# KiCad board Totem_rollin_.kicad_pcb
title: TOTEM split keyboard; date: 2022-11-03; rev: 0.3; note: Made by GEIST
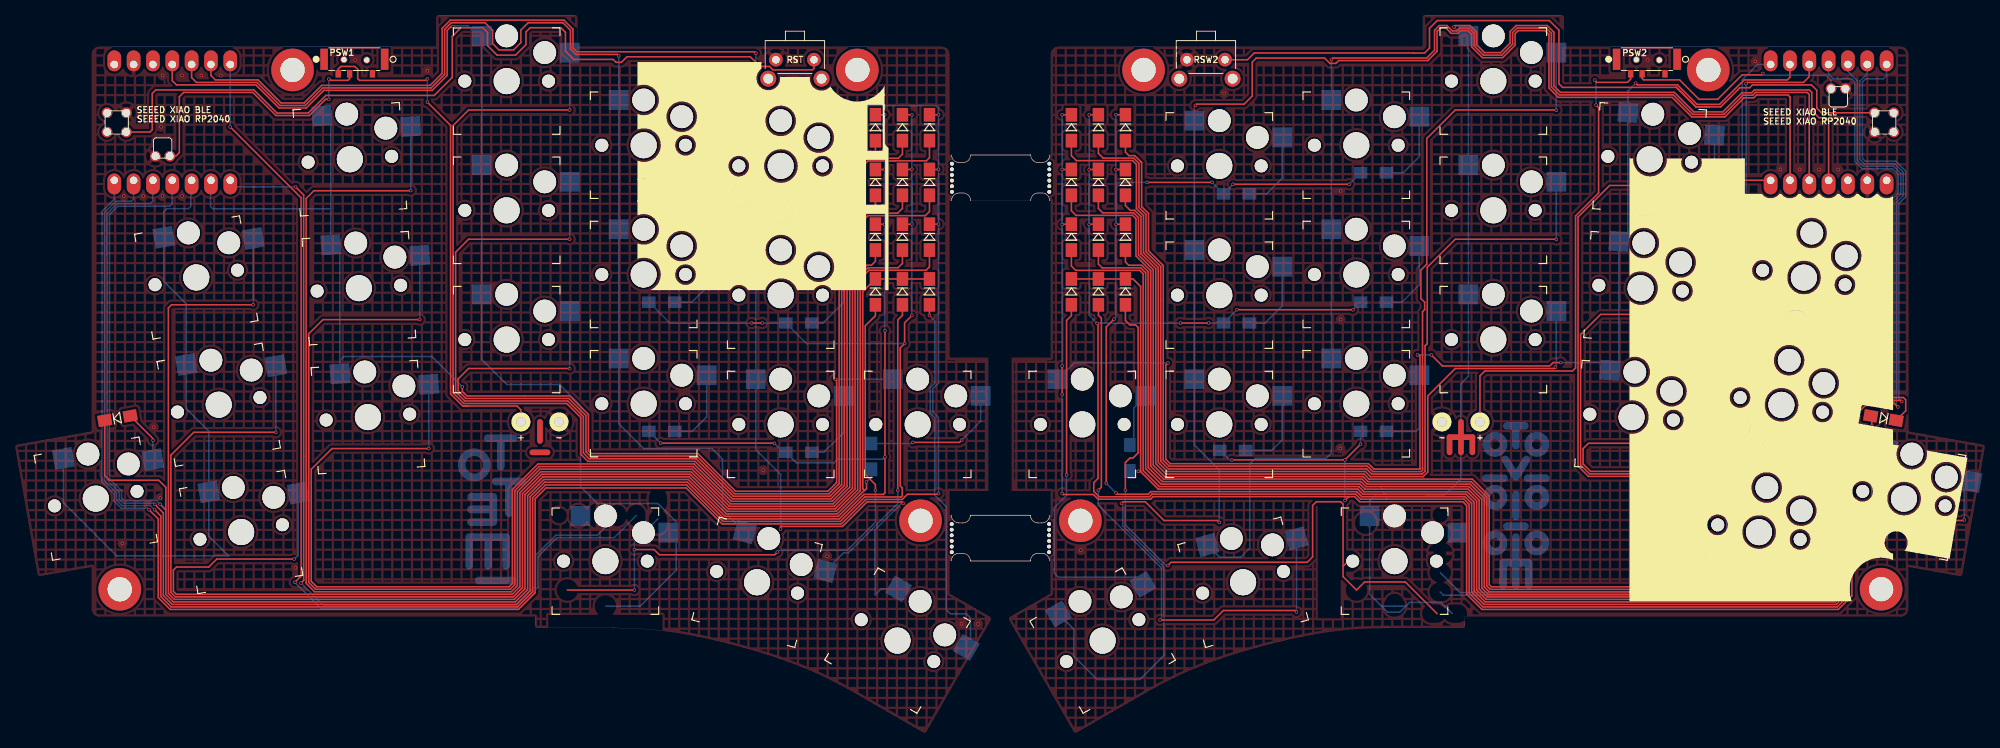
[diagram p0: board, top side]
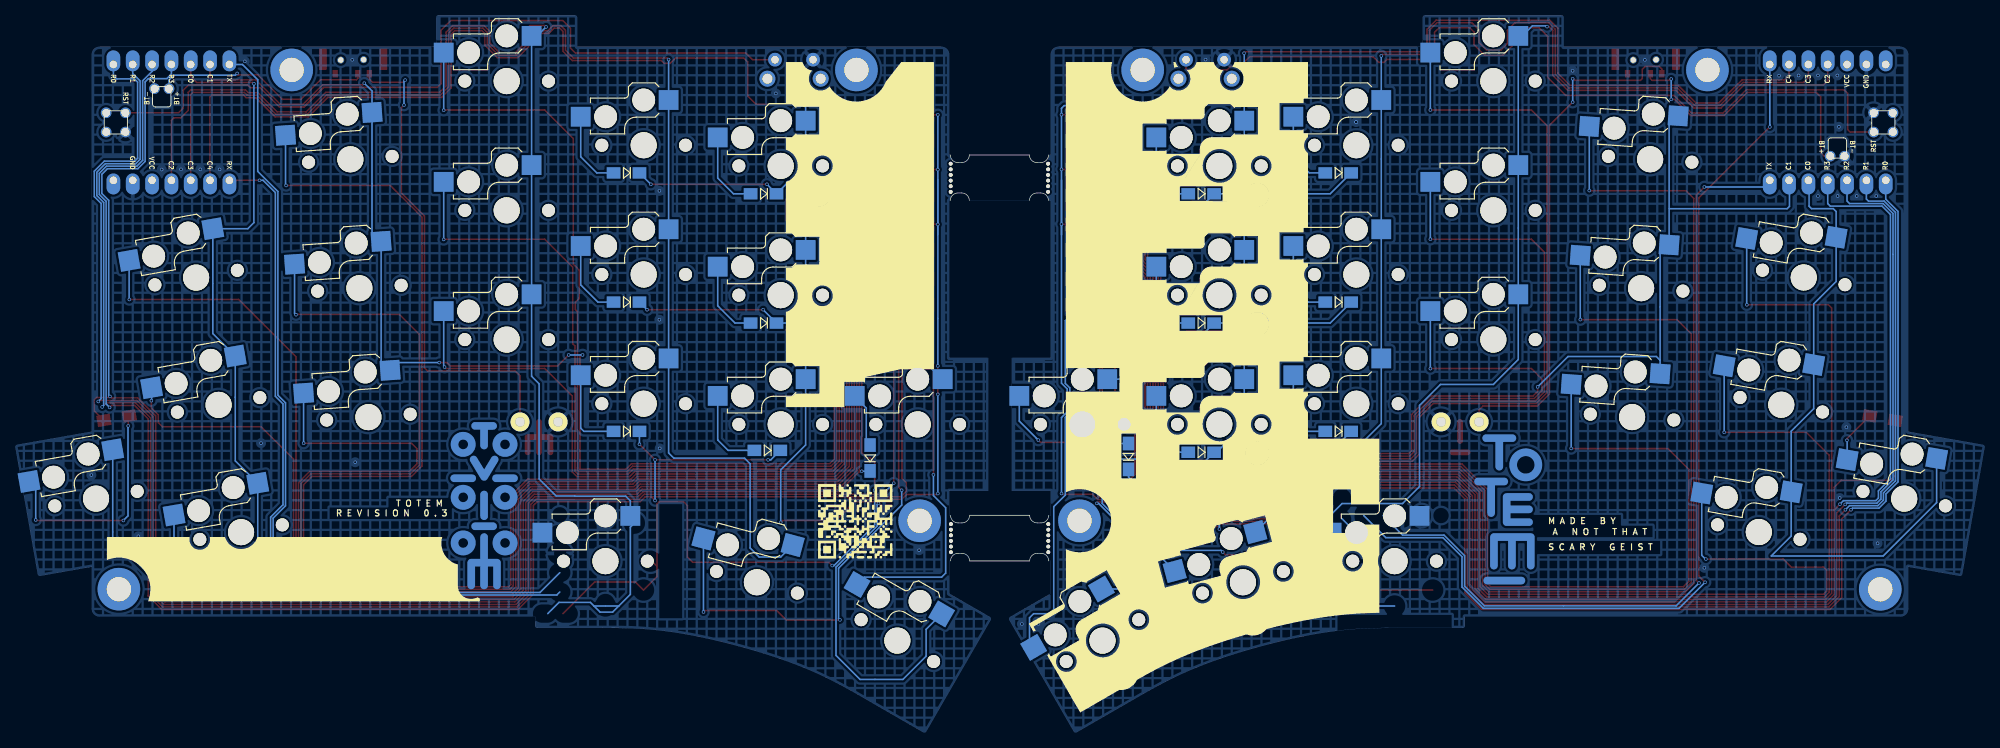
[diagram p1: board, bottom side, seen from below]

Outline 258.75 x 94.39 mm; copper layers: Top, Bottom. Coordinates in mm from the lower left corner of the outline.
Outline path: 122.7,18.32 122.7,22.61 122.98,22.61 ; 122.98,28.61 122.7,28.61 122.7,31.82 127.81,31.82 127.81,49.32 122.7,49.32 122.7,70.01 123.01,70.01 ; 122.71,76.01 123.01,76.01 ; 125.48,22.61 133.38,22.61 ; 125.48,28.61 133.38,28.61 ; 125.51,76.01 133.41,76.01 ; 133.41,70.01 125.51,70.01 ; 135.88,22.61 136.05,22.61 136.05,18.32 ; 135.88,28.61 136.06,28.61 136.06,31.82 130.94,31.82 130.94,49.32 136.06,49.32 136.06,70.01 135.91,70.01 ; 135.91,76.01 136.06,76.01
Stack: Top 0.035mm / dielectric 1.51mm FR4 er 4.5 / Bottom 0.035mm

## Placement (name value [footprint] x y rotation side)
BAT+1  +  [BatteryPad]  66.43 40.89 0 top
BAT+2  +  [BatteryPad]  192.43 40.89 0 top
BATGND1  -  [BatteryPad]  71.43 40.89 0 top
BATGND2  -  [BatteryPad]  187.43 40.89 0 top
DL1  D_Small  [Diode_SOD123]  120.11 65.2 270 top
DL2  D_Small  [Diode_SOD123]  120.11 72.4 270 top
DL3  D_Small  [Diode_SOD123]  120.11 79.6 270 top
DL4  D_Small  [Diode_SOD123]  84.94 73.65 0 bottom
DL5  D_Small  [Diode_SOD123]  102.94 70.9 0 bottom
DL6  D_Small  [Diode_SOD123]  116.56 65.2 270 top
DL7  D_Small  [Diode_SOD123]  116.56 72.4 270 top
DL8  D_Small  [Diode_SOD123]  116.56 79.59 270 top
DL9  D_Small  [Diode_SOD123]  84.94 56.65 0 bottom
DL10  D_Small  [Diode_SOD123]  102.94 53.9 0 bottom
DL11  D_Small  [Diode_SOD123]  113.01 65.2 270 top
DL12  D_Small  [Diode_SOD123]  113.01 72.4 270 top
DL13  D_Small  [Diode_SOD123]  113.01 79.59 270 top
DL14  D_Small  [Diode_SOD123]  84.94 39.65 0 bottom
DL15  D_Small  [Diode_SOD123]  102.94 36.9 0 bottom
DL16  D_Small  [Diode_SOD123]  13.43 41.39 10 top
DL17  D_Small  [Diode_SOD123]  113.01 58 270 top
DL18  D_Small  [Diode_SOD123]  116.56 58 270 top
DL19  D_Small  [Diode_SOD123]  120.11 58 270 top
DL20  D_Small  [Diode_SOD123]  112.49 36.35 90 bottom
DR1  D_Small  [Diode_SOD123]  145.86 65.2 270 top
DR2  D_Small  [Diode_SOD123]  145.86 72.4 270 top
DR3  D_Small  [Diode_SOD123]  145.86 79.59 270 top
DR4  D_Small  [Diode_SOD123]  178.44 73.65 0 bottom
DR5  D_Small  [Diode_SOD123]  160.44 70.9 0 bottom
DR6  D_Small  [Diode_SOD123]  142.31 65.2 270 top
DR7  D_Small  [Diode_SOD123]  142.31 72.4 270 top
DR8  D_Small  [Diode_SOD123]  142.31 79.59 270 top
DR9  D_Small  [Diode_SOD123]  178.44 56.65 0 bottom
DR10  D_Small  [Diode_SOD123]  160.44 53.9 0 bottom
DR11  D_Small  [Diode_SOD123]  138.76 65.2 270 top
DR12  D_Small  [Diode_SOD123]  138.76 72.4 270 top
DR13  D_Small  [Diode_SOD123]  138.76 79.59 270 top
DR14  D_Small  [Diode_SOD123]  178.44 39.65 0 bottom
DR15  D_Small  [Diode_SOD123]  159.94 37.15 0 bottom
DR16  D_Small  [Diode_SOD123]  245.43 41.39 170 top
DR17  D_Small  [Diode_SOD123]  145.86 58 270 top
DR18  D_Small  [Diode_SOD123]  142.31 58 270 top
DR19  D_Small  [Diode_SOD123]  138.76 58 270 top
DR20  D_Small  [Diode_SOD123]  146.44 36.15 90 bottom
ENCL17  RotaryEncoder_Switch  [Kailh_socket_PG1350]  77.54 22.58 0 top
ENCR17  RotaryEncoder_Switch  [Kailh_socket_PG1350]  181.21 22.58 0 top
PSW1  SW_SPDT  [MSK12C02]  48.43 89.89 270 top
PSW2  SW_SPDT  [MSK12C02]  218.23 89.89 270 top
REF**  mousebites 2mm  [mousebites_2.5mm]  135.88 25.61 0 top
REF**#2  -  [MountingHole_3.2mm_M3_DIN965_Pad]  118.93 27.89 0 top
REF**#3  -  [MountingHole_3.2mm_M3_DIN965_Pad]  13.73 18.88 0 top
REF**#4  -  [MountingHole_3.2mm_M3_DIN965_Pad]  245.13 18.89 0 top
REF**#5  -  [MountingHole_3.2mm_M3_DIN965_Pad]  222.43 87.19 0 top
REF**#6  -  [MountingHole_3.2mm_M3_DIN965_Pad]  36.43 87.19 0 top
REF**#7  mousebites 2mm  [mousebites_2.5mm]  122.98 25.61 180 top
REF**#8  mousebites 2mm  [mousebites_2.5mm]  135.91 73.01 0 top
REF**#9  -  [MountingHole_3.2mm_M3_DIN965_Pad]  139.93 27.89 0 top
REF**#10  -  [MountingHole_3.2mm_M3_DIN965_Pad]  110.63 87.19 0 top
REF**#11  mousebites 2mm  [mousebites_2.5mm]  123.01 73.01 180 top
REF**#12  -  [MountingHole_3.2mm_M3_DIN965_Pad]  148.23 87.19 0 top
RSW1  SW_Push  [SKHLLCA010]  102.43 87.29 0 top
RSW2  SW_Push  [SKHLLCA010]  156.43 87.29 0 top
SWL1  SW_Push_45deg  [Kailh_socket_PG1350]  23.78 59.89 10 top
SWL2  SW_Push_45deg  [Kailh_socket_PG1350]  43.96 75.45 4 top
SWL3  SW_Push_45deg  [Kailh_socket_PG1350]  64.56 85.72 0 top
SWL4  SW_Push_45deg  [Kailh_socket_PG1350]  82.56 77.29 0 top
SWL5  SW_Push_45deg  [Kailh_socket_PG1350]  100.56 74.57 0 top
SWL6  SW_Push_45deg  [Kailh_socket_PG1350]  26.74 43.15 10 top
SWL7  SW_Push_45deg  [Kailh_socket_PG1350]  45.15 58.49 4 top
SWL8  SW_Push_45deg  [Kailh_socket_PG1350]  64.56 68.72 0 top
SWL9  SW_Push_45deg  [Kailh_socket_PG1350]  82.56 60.29 0 top
SWL10  SW_Push_45deg  [Kailh_socket_PG1350]  100.56 57.57 0 top
SWL11  SW_Push_45deg  [Kailh_socket_PG1350]  29.69 26.41 10 top
SWL12  SW_Push_45deg  [Kailh_socket_PG1350]  46.34 41.53 4 top
SWL13  SW_Push_45deg  [Kailh_socket_PG1350]  64.56 51.72 0 top
SWL14  SW_Push_45deg  [Kailh_socket_PG1350]  82.56 43.29 0 top
SWL15  SW_Push_45deg  [Kailh_socket_PG1350]  100.56 40.57 0 top
SWL16  SW_Push_45deg  [Kailh_socket_PG1350]  10.59 30.8 10 top
SWL18  SW_Push_45deg  [Kailh_socket_PG1350]  97.46 19.8 345 top
SWL19  SW_Push_45deg  [Kailh_socket_PG1350]  115.91 12.13 330 top
SWL20  SW_Push_45deg  [Kailh_socket_PG1350]  118.56 40.57 0 top
SWR1  SW_Push_45deg  [Kailh_socket_PG1350]  234.99 59.88 350 top
SWR2  SW_Push_45deg  [Kailh_socket_PG1350]  214.72 75.44 356 top
SWR3  SW_Push_45deg  [Kailh_socket_PG1350]  194.19 85.72 0 top
SWR4  SW_Push_45deg  [Kailh_socket_PG1350]  176.19 77.29 0 top
SWR5  SW_Push_45deg  [Kailh_socket_PG1350]  158.19 74.57 0 top
SWR6  SW_Push_45deg  [Kailh_socket_PG1350]  232.03 43.14 350 top
SWR7  SW_Push_45deg  [Kailh_socket_PG1350]  213.54 58.48 356 top
SWR8  SW_Push_45deg  [Kailh_socket_PG1350]  194.19 68.72 0 top
SWR9  SW_Push_45deg  [Kailh_socket_PG1350]  176.19 60.29 0 top
SWR10  SW_Push_45deg  [Kailh_socket_PG1350]  158.19 57.57 0 top
SWR11  SW_Push_45deg  [Kailh_socket_PG1350]  229.08 26.39 350 top
SWR12  SW_Push_45deg  [Kailh_socket_PG1350]  212.35 41.52 356 top
SWR13  SW_Push_45deg  [Kailh_socket_PG1350]  194.19 51.72 0 top
SWR14  SW_Push_45deg  [Kailh_socket_PG1350]  176.19 43.29 0 top
SWR15  SW_Push_45deg  [Kailh_socket_PG1350]  158.19 40.57 0 top
SWR16  SW_Push_45deg  [Kailh_socket_PG1350]  248.14 30.8 350 top
SWR18  SW_Push_45deg  [Kailh_socket_PG1350]  161.31 19.8 15 top
SWR19  SW_Push_45deg  [Kailh_socket_PG1350]  142.86 12.13 30 top
SWR20  SW_Push_45deg  [Kailh_socket_PG1350]  140.19 40.57 0 top
U1  xiao-ble  [xiao-ble-smd-cutout]  20.63 80.29 90 top
U2  xiao-ble  [xiao-ble-smd-cutout]  238.23 80.29 270 top

## Library data of the parts
BAT+1 BAT+2 BATGND1 BATGND2 = -: ki_fp_filters: MountingHole*Pad*
DL1-DL20 DR1-DR20 = -: ki_fp_filters: TO-???* *_Diode_* *SingleDiode* D_*
ENCL17 ENCR17 = -: ki_fp_filters: RotaryEncoder*Switch*

## Footprints (pads in the part's own frame, mm; a bottom-side part is the same pattern mirrored in y, then rotated)
BatteryPad
  round 2.5 hole 1.25: 1(0,0)
Diode_SOD123
  rect 1.8x1.5 smd: 1(-1.7,0) 2(1.7,0)
Kailh_socket_PG1350
  round 1.702 hole 1.702 unplated: (-5.5,0) (5.5,0)
  round 3 hole 3 unplated: (0,5.95) (5,3.75)
  round 3.429 hole 3.429 unplated: (0,0)
  rect 2.6x2.6 smd far side: 1(-3.275,5.95) 2(8.275,3.75)
MountingHole_3.2mm_M3_DIN965_Pad
  round 5.6 hole 3.2: 1(0,0)
mousebites_2.5mm
  round 0.5 hole 0.5 unplated: (-0.05,1.85) (-0.05,1.11) (-0.05,0.37) (-0.05,-0.37) (-0.05,-1.11) (-0.05,-1.85)
MSK12C02
  round 0.9 hole 0.7 unplated: (1.35,-5.25) (1.4,-2.25)
  rect 1x0.7 smd: 1(3.2,-1.5) 2(3.2,-4.5) 3(3.2,-6)
  rect 2.8x1 smd: NC(1.3,0.1) NC(1.3,-7.85)
SKHLLCA010
  round 1.8 hole 1: 1(2.5,1.25) 2(-2.5,1.25)
  round 2.1 hole 1.3: MP(-3.5,-1.25) MP(3.5,-1.25)
xiao-ble-smd-cutout
  oval 2.75x1.8 hole 1: 1(-7.62,7.62) 2(-7.62,5.08) 3(-7.62,2.54) 4(-7.62,0) 5(-7.62,-2.54) 6(-7.62,-5.08) 7(-7.62,-7.62) 8(7.62,-7.62) 9(7.62,-5.08) 10(7.62,-2.54) 11(7.62,0) 12(7.62,2.54) 13(7.62,5.08) 14(7.62,7.62)
  round 1.397 hole 1.016: 15(-1.27,8.572) 16(1.27,8.572) 17(-1.27,6.032) 18(1.27,6.032) 19(-4.445,0.317) 20(-4.445,2.222)

## Nets
GND_L: BATGND1.1 RSW1.2 U1.13 U1.18 U1.20
GND_R: BATGND2.1 RSW2.2 U2.13 U2.18 U2.20
VBAT_L: BAT+1.1 PSW1.3
VBAT_R: BAT+2.1 PSW2.3
VCC_L: U1.12
VCC_R: U2.12
BAT+_L: PSW1.2 U1.19
BAT+_R: PSW2.2 U2.19
COL0_L: SWL1.1 SWL6.1 SWL11.1 SWL16.1 U1.5
COL0_R: SWR1.1 SWR6.1 SWR11.1 SWR16.1 U2.5
COL1_L: SWL2.1 SWL7.1 SWL12.1 SWL20.1 U1.6
COL1_R: SWR2.1 SWR7.1 SWR12.1 SWR20.1 U2.6
COL2_L: ENCL17.1 SWL3.1 SWL8.1 SWL13.1 U1.11
COL2_R: SWR3.1 SWR8.1 SWR13.1 U2.11
COL3_L: SWL4.1 SWL9.1 SWL14.1 SWL18.1 U1.10
COL3_R: SWR4.1 SWR9.1 SWR14.1 SWR18.1 U2.10
COL4_L: SWL5.1 SWL10.1 SWL15.1 SWL19.1 U1.9
COL4_R: SWR5.1 SWR10.1 SWR15.1 SWR19.1 U2.9
ENC_A_L: U1.8
ENC_A_R: U2.8
ENC_B_L: U1.7
ENC_B_R: U2.7
ENC_ROW_L: DL17.2 ENCL17.2
ENC_ROW_R: DR17.2 ENCR17.1 ENCR17.2
RESET_L: RSW1.1 U1.17
RESET_R: RSW2.1 U2.17
ROW0_L: DL1.1 DL2.1 DL3.1 DL4.1 DL5.1 U1.1
ROW0_R: DR1.1 DR2.1 DR3.1 DR4.1 DR5.1 U2.1
ROW1_L: DL6.1 DL7.1 DL8.1 DL9.1 DL10.1 U1.2
ROW1_R: DR6.1 DR7.1 DR8.1 DR9.1 DR10.1 U2.2
ROW2_L: DL11.1 DL12.1 DL13.1 DL14.1 DL15.1 U1.3
ROW2_R: DR11.1 DR12.1 DR13.1 DR14.1 DR15.1 U2.3
ROW3_L: DL16.1 DL17.1 DL18.1 DL19.1 DL20.1 U1.4
ROW3_R: DR16.1 DR17.1 DR18.1 DR19.1 DR20.1 U2.4
Net-(DL1-A): DL1.2 SWL1.2
Net-(DL2-A): DL2.2 SWL2.2
Net-(DL3-A): DL3.2 SWL3.2
Net-(DL4-A): DL4.2 SWL4.2
Net-(DL5-A): DL5.2 SWL5.2
Net-(DL6-A): DL6.2 SWL6.2
Net-(DL7-A): DL7.2 SWL7.2
Net-(DL8-A): DL8.2 SWL8.2
Net-(DL9-A): DL9.2 SWL9.2
Net-(DL10-A): DL10.2 SWL10.2
Net-(DL11-A): DL11.2 SWL11.2
Net-(DL12-A): DL12.2 SWL12.2
Net-(DL13-A): DL13.2 SWL13.2
Net-(DL14-A): DL14.2 SWL14.2
Net-(DL15-A): DL15.2 SWL15.2
Net-(DL16-A): DL16.2 SWL16.2
Net-(DL18-A): DL18.2 SWL18.2
Net-(DL19-A): DL19.2 SWL19.2
Net-(DL20-A): DL20.2 SWL20.2
Net-(DR1-A): DR1.2 SWR1.2
Net-(DR2-A): DR2.2 SWR2.2
Net-(DR3-A): DR3.2 SWR3.2
Net-(DR4-A): DR4.2 SWR4.2
Net-(DR5-A): DR5.2 SWR5.2
Net-(DR6-A): DR6.2 SWR6.2
Net-(DR7-A): DR7.2 SWR7.2
Net-(DR8-A): DR8.2 SWR8.2
Net-(DR9-A): DR9.2 SWR9.2
Net-(DR10-A): DR10.2 SWR10.2
Net-(DR11-A): DR11.2 SWR11.2
Net-(DR12-A): DR12.2 SWR12.2
Net-(DR13-A): DR13.2 SWR13.2
Net-(DR14-A): DR14.2 SWR14.2
Net-(DR15-A): DR15.2 SWR15.2
Net-(DR16-A): DR16.2 SWR16.2
Net-(DR18-A): DR18.2 SWR18.2
Net-(DR19-A): DR19.2 SWR19.2
Net-(DR20-A): DR20.2 SWR20.2

Pads without a net: PSW1 1 NC; PSW2 1 NC; REF**#2 1; REF**#3 1; REF**#4 1; REF**#5 1; REF**#6 1; REF**#9 1; REF**#10 1; REF**#12 1; RSW1 MP; RSW2 MP; U1 14 15 16; U2 14 15 16

## Via types
v1: diameter 0.45, hole 0.3, Top to Bottom, 163 vias

## Routing (per net, layer and track width the routed paths; a pad name or vN(x,y) marks a point on that pad's centre or on a via; arc(x,y) is an arc through that point)
GND_L:
  vias: v1(14.08,24.93) v1(14.26,70.61) v1(16.82,70.61) v1(18.18,40.2) v1(19.06,30.89) v1(19.16,79.71) v1(19.37,86.47) v1(19.34,70.61) v1(21.91,86.47) v1(21.92,70.61) v1(24.46,86.47) v1(27.02,86.45) v1(36.84,21.7) v1(44.66,88.52) v1(54.15,87.08) v1(82.59,80.34) v1(82.59,80.34) v1(82.59,80.34) v1(98.27,34.55) v1(102.37,88.55) v1(102.37,85.99) v1(106.66,23.22) v1(124.32,14.33) v1(126.5,14.31)
GND_R:
  vias: v1(140,24.02) v1(158.82,84.1) v1(174.08,37.41) v1(174.12,71.29) v1(174.13,54.34) v1(214.09,35.59) v1(214.47,88.52) v1(226.46,38.1) v1(228.59,88.32) v1(231.9,74.11) v1(234.43,74.11) v1(236.97,74.11) v1(239.5,74.09) v1(242.57,25.85) v1(248.75,33.9)
VBAT_L: length 69
  Top w0.2: BAT+1.1 66.43,42.48 65.93,42.99 59.53,42.99 ; 59.53,42.99 58.93,42.99 ; 59.53,42.99 58.79,42.99 57.19,44.58 57.19,79.9 v1(54.14,82.95) ; PSW1.3 42.43,87.32 42.77,87.65 44.62,87.65 44.99,87.28 44.99,86.05 45.22,85.82 53.94,85.82 v1(54.14,86.03)
  Bottom w0.2: v1(54.14,86.03) v1(54.14,82.95)
VBAT_R: length 64.1
  Top w0.2: v1(207.52,85.86) 207.52,85.78 207.74,85.56 211.8,85.56 212.23,85.99 PSW2.3 ; v1(207.68,82.57) 208.02,82.23 208.02,71.01 204.99,67.98 204.99,48 204.58,47.59 193.07,47.59 192.43,46.95 BAT+2.1
  Bottom w0.2: v1(207.52,85.86) 207.68,85.7 v1(207.68,82.57)
BAT+_L: length 37
  Top w0.2: PSW1.2 43.93,86.04 43.71,85.82 41.45,85.82 41.27,86 v1(41.19,86) ; U1.19 21.08,75.85 21.56,76.33 21.56,83.67 22.12,84.23 31.21,84.23 34.25,81.2 38.64,81.2 40.77,83.33 v1(41.19,83.33)
  Bottom w0.2: v1(41.19,83.33) v1(41.19,86)
BAT+_R: length 29.5
  Top w0.2: v1(229.59,86.73) 229.59,86.6 229.53,86.54 226.87,86.54 223.65,83.33 221.21,83.33 218.65,85.89 213.93,85.89 213.73,86.09 PSW2.2
  Bottom w0.2: v1(229.59,86.73) 229.83,86.5 237.91,86.5 238.55,85.86 U2.19
COL0_L: length 86.4
  Bottom w0.2: 23.08,72.58 23.08,69.27 22.77,68.95 19.91,68.95 19.52,68.57 SWL1.1 19.52,59.37 22.48,56.42 SWL6.1 22.48,42.63 25.43,39.67 SWL11.1 25.43,25.88 28.04,23.27 28.03,23.26 13.34,23.26 6.33,30.28 SWL16.1
COL0_R: length 114.5
  Top w0.2: U2.5 235.69,86.31 234.93,85.55 227.57,85.55 v1(227.39,85.38)
  Bottom w0.2: SWR16.1 245.94,25.63 240.9,20.58 228.06,20.58 226.89,21.75 SWR11.1 229.84,35.77 SWR6.1 232.79,52.52 SWR1.1 228.2,66.31 227.39,67.11 v1(227.39,85.38)
COL1_L: length 151.8
  Top w0.2: v1(107.74,46.5) 107.91,46.33 107.91,32.91 106.77,31.77 94.64,31.77 89.68,36.73 75.68,36.73 75.3,37.11 75.3,41.87 72.87,44.31 59.34,44.31 58.74,44.9 v1(58.74,45.5)
  Bottom w0.2: 42.65,49 43.15,49.5 54.74,49.5 v1(58.74,45.5) ; 42.65,49 SWL12.1 ; 42.65,49 42.65,63.01 SWL7.1 41.47,79.97 SWL2.1 ; SWL20.1 107.76,46.52 v1(107.74,46.5) ; 25.66,72.62 25.66,69.24 25.96,68.94 41.47,68.94
COL1_R: length 167.7
  Top w0.2: v1(212.89,85.45) 213.11,85.23 218.37,85.23 220.94,82.67 223.93,82.67 227.14,85.88 232.81,85.88 233.15,86.22 U2.6 ; v1(186.04,49.7) 187.49,48.25 201.59,48.25 202.04,48.7 v1(203.04,48.7) ; v1(151.44,48.65) 151.15,48.37 151.15,35.99 151.74,35.4 177.78,35.4 178.49,34.69 184.56,34.69 184.55,34.69 184.55,49.61 184.46,49.7 v1(184.22,49.7)
  Bottom w0.2: v1(212.89,85.45) 211.87,84.43 SWR2.1 211.87,65.83 SWR7.1 210.68,48.87 SWR12.1 208.48,48.7 v1(203.04,48.7) ; v1(184.22,49.7) v1(186.04,49.7) ; v1(151.44,48.65) 139.13,48.65 137,46.52 SWR20.1
COL2_L: length 153.1
  Top w0.2: U1.11 20.63,85.77 21.18,85.22 31.62,85.22 34.66,82.19 38.23,82.19 40.54,84.5 54.77,84.5 56.76,86.49 56.76,92.41 57.24,92.89 v1(57.51,92.89)
  Bottom w0.2: 60.75,91.67 59.44,92.99 57.61,92.99 v1(57.51,92.89) ; SWL3.1 SWL8.1 SWL13.1 61.29,49.1 64.56,45.82 71.5,45.82 74.26,43.07 74.26,32.38 76.49,30.15 84.44,30.15 86.84,27.75 86.84,21.4 82.12,16.68 77.54,16.68
COL2_R: length 178.5
  Top w0.2: v1(189.01,92.85) 189.18,93.03 191.12,93.03 191.99,92.16 191.99,90.51 193.03,89.47 195.13,89.47 196.39,90.73 196.39,92.24 197.17,93.03 201.27,93.03 202.15,92.15 202.15,85.1 203,84.24 217.96,84.24 220.53,81.68 224.34,81.68 226.86,84.2 228.13,84.2 228.5,84.56 235.71,84.56 236.02,84.25 236.02,81.86 236.98,80.9 237.87,80.9 238.23,80.54 238.23,71.72
  Bottom w0.2: 182.72,16.68 179.46,16.68 ; 182.72,16.68 181.92,15.88 180.27,15.88 179.46,16.68 ; 182.72,16.68 183.19,17.15 187.31,17.15 188.79,15.68 ; 179.46,16.68 177.94,18.21 177.94,27.05 177.41,27.58 177.41,27.88 177.94,28.4 177.94,30.52 178.55,31.13 185.23,31.13 185.25,31.15 187.69,31.15 189.93,33.39 189.93,45.92 190.91,46.9 SWR13.1 SWR3.1 ; v1(189.01,92.85) 190.19,91.67
COL3_L: length 150.3
  Top w0.2: v1(79.28,89.04) 79.09,89.23 73.66,89.23 72.94,89.95 72.94,92.41 71.95,93.41 67.39,93.41 66.43,92.45 66.43,90.79 65.46,89.82 63.56,89.82 62.71,90.67 62.71,92.41 61.71,93.41 57.29,93.41 56.42,92.54 56.42,86.61 54.64,84.83 40.41,84.83 38.09,82.52 34.79,82.52 31.76,85.55 23.8,85.55 23.17,86.18 U1.10
  Bottom w0.2: v1(79.28,89.04) 79.29,89.04 SWL4.1 SWL9.1 SWL14.1 79.29,40.66 82.56,37.39 91.52,37.39 92.92,35.99 92.92,29.31 SWL18.1
COL3_R: length 173.7
  Top w0.2: U2.10 235.69,83.96 235.42,84.23 228.63,84.23 228.27,83.87 226.99,83.87 224.47,81.35 220.39,81.35 217.83,83.91 202.87,83.91 201.82,84.96 201.82,92.01 201.13,92.7 197.31,92.7 196.72,92.11 196.72,90.59 195.27,89.14 192.89,89.14 191.66,90.37 191.66,92.02 190.98,92.7 189.75,92.7 189.38,92.33 188.79,92.33 188.41,92.72 188.1,93.03 187.08,93.03 186.46,92.4 186.46,89.79 185.43,88.76 173.11,88.76 v1(172.91,88.56)
  Bottom w0.2: SWR18.1 158.19,23.12 161.01,23.12 162.2,24.31 162.2,35.39 162.93,36.12 172.22,36.12 172.91,36.81 SWR14.1 SWR4.1 172.91,88.56 v1(172.91,88.56)
COL4_L: length 191.7
  Top w0.2: v1(116.67,30.18) 116.48,30.36 111.89,30.36 108.68,27.15 100.59,27.15 100.55,27.11 v1(100.55,26.8) ; v1(97.31,89.39) 97.12,89.58 73.78,89.58 73.27,90.08 73.27,92.55 72.09,93.74 57.15,93.74 56.09,92.67 56.09,86.75 54.5,85.16 40.27,85.16 37.95,82.85 34.93,82.85 31.9,85.88 26.29,85.88 25.71,86.46 U1.9
  Bottom w0.2: v1(100.55,26.8) 100.55,27.21 100.56,27.22 100.56,33.98 97.29,37.26 SWL15.1 SWL10.1 SWL5.1 97.29,89.37 v1(97.31,89.39) ; 112.96,23.05 112.96,18.13 113.75,18.92 SWL19.1 ; v1(116.67,30.18) 116.43,30.18 112.96,26.71 112.96,21.3 112.96,26.51
COL4_R: length 226.8
  Top w0.2: v1(155.05,82.52) 155.22,82.69 161.44,82.69 162.52,83.77 162.52,88.23 163.04,88.76 172.01,88.76 172.71,88.06 173.5,88.06 173.87,88.43 185.56,88.43 186.79,89.65 186.79,92.27 187.22,92.7 187.96,92.7 188.46,92.2 188.46,92.2 188.66,92 189.52,92 189.88,92.37 190.84,92.37 191.33,91.88 191.33,90.24 192.76,88.81 195.41,88.81 197.05,90.45 197.05,91.97 197.45,92.37 201,92.37 201.49,91.88 201.49,84.82 202.73,83.58 217.69,83.58 220.26,81.02 224.61,81.02 227.13,83.54 228.4,83.54 228.77,83.9 232.89,83.9 233.17,83.62 233.17,72.69 ; v1(158.18,27.68) 157.94,27.93 150.92,27.93 148.46,30.39 145.56,30.39 v1(145.34,30.18)
  Bottom w0.2: v1(145.34,30.18) 145.51,30.01 145.51,27.19 150.92,21.79 150.92,10.18 147.76,7.02 142.13,7.02 139.09,10.06 139.09,13.61 SWR19.1 ; v1(155.05,82.52) 154.91,82.38 SWR5.1 154.91,46.43 154.91,37.86 158.19,34.58 158.19,27.69 v1(158.18,27.68)
ENC_A_L: length 126
  Top w0.2: v1(36.74,19.8) 37.56,20.62 37.56,70.37 v1(28.24,79.7)
  Bottom w0.2: U1.8 28.24,87.9 28.24,80 28.24,80 v1(28.24,79.7) ; v1(36.74,19.8) 36.74,19.79 40.16,16.37 65.88,16.37 68.67,19.16 68.67,23.16 71.18,25.67 78.69,25.67 81.6,28.58
ENC_A_R: length 98.2
  Top w0.2: U2.8 v1(226.66,72.67)
  Bottom w0.2: v1(226.66,72.67) 226.18,72.67 224.57,71.06 224.57,44.26 223.57,43.26 223.57,29.99 225.2,28.37 225.2,19.24 224.08,18.12 187.61,18.12 187.21,18.52
ENC_B_L: length 111.6
  Top w0.2: v1(37.54,19.7) 37.89,20.05 37.89,70.75 v1(36.84,71.8)
  Bottom w0.2: 79.06,28.58 76.48,26 71.04,26 68.34,23.3 68.34,19.3 65.74,16.7 40.54,16.7 v1(37.54,19.7) ; U1.7 29.12,71.8 v1(36.84,71.8)
ENC_B_R: length 112.4
  Bottom w0.2: U2.7 228.9,87.91 226.89,85.9 226.89,73.85 224.24,71.2 224.24,44.4 223.24,43.4 223.24,29.85 224.87,28.23 224.87,19.38 223.94,18.45 189.82,18.45 187.21,21.06
ENC_ROW_L: length 82.9
  Top w0.2: v1(113.01,31.89) 113.01,32.64 111.67,33.98 111.67,53.53 113.01,54.87 DL17.2 ; v1(100.11,23.77) 99.76,23.42 84.62,23.42 83.94,24.1 v1(81.34,24.1) ; 72.54,18.78 v1(81.34,18.78)
  Bottom w0.2: 84.44,28.15 81.34,25.06 v1(81.34,18.78) ; v1(100.11,23.77) 100.33,23.99 109.31,23.99 113.01,27.69 v1(113.01,31.89)
ENC_ROW_R: length 95.4
  Top w0.2: v1(145.84,31.9) 145.84,35.55 146.44,36.15 146.85,36.15 147.52,36.82 147.52,53.32 147.19,53.65 146.44,53.65 145.86,54.24 DR17.2 ; 175.34,22.6 175.14,22.6 174.44,21.9 ; 186.79,15.68 182.63,19.84 177.27,19.84 176.21,18.78 174.44,20.55 174.44,30.09 174.13,30.4 170.94,30.4 170.44,29.9 170.44,23.13 169.74,22.43 151.84,22.43 v1(151.42,22)
  Bottom w0.2: v1(145.84,31.9) 145.84,27.33 151.17,22 v1(151.42,22)
RESET_L: length 115
  Top w0.2: RSW1.1 104.93,87.39 104.74,87.2 99.54,87.2 99.09,87.65 97.85,87.65 96.58,88.92 80.36,88.92 79.63,88.19 78.93,88.19 78.55,88.57 73.39,88.57 72.28,89.67 72.28,92.14 71.68,92.75 67.66,92.75 67.09,92.18 67.09,90.51 65.72,89.14 63.3,89.14 62.05,90.39 62.05,92.13 61.43,92.75 58.56,92.75 57.42,91.6 57.42,86.21 55.05,83.84 40.82,83.84 38.5,81.53 34.38,81.53 31.35,84.56 18.46,84.56 18.01,84.11 18.01,79.34 17.69,79.02 U1.17
RESET_R: length 107.3
  Top w0.2: 218.24,84.9 203.28,84.9 202.81,85.37 202.81,92.42 201.54,93.69 186.81,93.69 185.8,92.68 185.8,90.06 185.15,89.42 183.7,89.42 183.69,89.43 162.78,89.43 161.89,88.54 RSW2.1 ; 218.24,84.9 220.8,82.34 222.56,82.34 ; 218.24,84.9 220.8,82.34 222.56,82.34 ; 222.56,82.34 224.06,82.34 226.58,84.86 227.86,84.86 228.22,85.22 235.98,85.22 236.68,84.52 236.68,82.17 237.29,81.56 U2.17
ROW0_L: length 292.3
  Top w0.2: DL3.1 121.33,81.3 ; 121.33,66.9 120.12,66.9 ; DL2.1 121.31,74.1 ; v1(96.34,70.9) v1(99.24,70.9) ; v1(17.58,29.34) 18.8,28.13 18.8,17.78 20.35,16.23 66.11,16.23 68.31,18.42 68.31,30.78 69.72,32.2 88.14,32.2 92.86,27.48 108.37,27.48 108.54,27.48 111.76,30.69 116.53,30.69 117.21,31.37 121.19,31.37 v1(121.29,31.48)
  Bottom w0.2: v1(121.29,31.48) 121.3,31.48 121.3,41.46 120.54,42.22 120.54,45.23 121.3,45.99 v1(121.3,66.91) v1(121.3,74.13) v1(121.3,81.31) 121.3,82.15 120.94,82.5 112.14,82.5 111.94,82.3 111.94,75.9 105.74,69.7 102.44,69.7 DL5.1 v1(99.24,70.9) ; v1(17.58,29.34) 17.37,29.55 13.9,29.55 12.98,30.47 12.98,31.42 11.4,33 11.4,68.59 13.01,70.2 U1.1 ; DL4.1 85.99,70.9 v1(96.34,70.9) ; 121.3,72.71 121.3,65.51
ROW0_R: length 289.1
  Top w0.2: v1(175.24,72.15) v1(159.99,72.15) ; v1(144.36,54.41) 143.34,53.38 v1(143.34,32.83) ; 180.04,31.05 176.91,31.05 176.24,31.72 149.18,31.72 148.84,31.38 144.76,31.38 144.59,31.55 ; DR1.1 144.61,66.9 v1(144.6,66.9) ; v1(144.6,74.08) 144.62,74.1 DR2.1 ; v1(157.24,72.4) v1(148.69,72.4) ; DR3.1 144.62,81.29 v1(144.6,81.31) ; v1(247.84,43.58) 247.7,43.72 242.79,43.72 240.63,41.56 240.63,18.28 239.23,16.89 192.96,16.89 191.34,18.51 191.34,30.18 190.46,31.06 180.04,31.06
  Bottom w0.2: v1(247.84,43.58) 247.46,43.96 247.46,69.63 248.36,70.53 248.36,73.87 247.04,75.19 243.05,75.19 242.67,75.57 242.67,85.61 243.08,86.01 245.41,86.01 245.85,86.45 U2.1 ; 144.6,65.51 144.6,72.4 v1(148.69,72.4) ; v1(144.6,81.31) v1(144.6,74.08) v1(144.6,66.9) 144.6,54.65 v1(144.36,54.41) 144.51,54.56 ; v1(157.24,72.4) DR5.1 v1(159.99,72.15) ; 144.59,31.55 v1(144.6,31.56) v1(143.34,32.83) ; v1(175.24,72.15) DR4.1
ROW1_L: length 275.7
  Top w0.2: DL8.1 117.8,81.29 v1(117.8,81.29) ; v1(117.8,66.92) 117.78,66.9 DL6.1 ; v1(96.74,53.9) v1(98.14,53.9) ; DL7.1 117.78,74.1 v1(117.8,74.12) ; v1(18.31,29.34) 19.13,28.52 19.13,17.92 20.49,16.56 65.97,16.56 67.98,18.56 67.98,30.92 69.66,32.6 88.21,32.6 93,27.81 108.41,27.81 111.62,31.02 116.4,31.02 116.54,31.17 116.54,32.2 116.27,32.47 116.27,50.63 v1(116.84,51.2) 116.84,53.93 v1(117.8,54.89)
  Bottom w0.2: v1(117.8,54.89) v1(117.8,66.92) v1(117.8,74.12) v1(117.8,81.29) ; v1(116.84,51.2) 103.94,51.2 DL10.1 v1(98.14,53.9) ; U1.2 15.55,70.21 15.28,69.94 13.22,69.94 11.73,68.45 11.73,33.13 13.31,31.55 13.31,30.6 14.03,29.88 17.77,29.88 v1(18.31,29.34) ; v1(96.74,53.9) 85.99,53.9 DL9.1 ; 117.8,65.49 117.8,72.69
ROW1_R: length 291.5
  Top w0.2: v1(153.09,53.9) v1(156.79,53.9) ; DR7.1 141.12,74.1 v1(141.09,74.07) ; DR8.1 141.11,81.29 v1(141.09,81.28) ; v1(160.49,55.65) v1(175.74,55.65) ; DR6.1 141.11,66.9 v1(141.09,66.88) ; v1(247.33,42.86) 246.8,43.39 242.92,43.39 240.96,41.42 240.96,18.14 239.37,16.56 192.83,16.56 191.01,18.38 191.01,30.05 190.33,30.73 180.18,30.73 180.17,30.72 176.78,30.72 176.11,31.39 149.34,31.39 149,31.05 142.41,31.05 141.69,31.77 141.69,32.9 142.25,33.46 142.25,53.74 v1(142.14,53.85)
  Bottom w0.2: v1(160.49,55.65) DR10.1 v1(156.79,53.9) ; v1(141.09,81.28) v1(141.09,74.07) v1(141.09,66.88) 141.09,54.9 v1(142.14,53.85) 142.19,53.9 v1(153.09,53.9) ; 141.09,72.7 141.09,65.49 ; v1(247.33,42.86) 247.13,43.06 247.13,69.77 248.03,70.67 248.03,73.74 246.91,74.86 242.92,74.86 242.34,75.44 242.34,85.74 243.31,86.71 U2.2 ; v1(175.74,55.65) DR9.1
ROW2_L: length 271.4
  Top w0.2: v1(84.79,38.1) 99.71,38.1 v1(99.74,38.07) ; DL13.1 114.22,81.29 v1(114.22,81.3) ; v1(114.22,74.11) 114.21,74.1 DL12.1 ; v1(114.22,66.89) 113.01,66.89 ; v1(114.26,52.9) v1(114.26,36.3) 114.26,31.57 114.04,31.35 111.48,31.35 108.27,28.14 93.14,28.14 88.32,32.96 69.55,32.96 67.65,31.06 67.65,18.7 65.83,16.89 20.63,16.89 19.46,18.06 19.46,28.92 v1(18.33,30.04)
  Bottom w0.2: v1(84.79,38.1) DL14.1 ; v1(114.22,81.3) v1(114.22,74.11) v1(114.22,66.89) 114.22,52.94 v1(114.26,52.9) ; U1.3 18.09,69.95 17.75,69.61 13.36,69.61 12.06,68.31 12.06,62.94 12.06,33.27 13.64,31.69 13.64,30.74 14.17,30.21 18.16,30.21 v1(18.33,30.04) ; v1(99.74,38.07) 100.91,36.9 DL15.1 102.64,35.5 107.54,35.5 108.04,36 113.96,36 v1(114.26,36.3) ; 114.22,72.7 114.22,65.49
ROW2_R: length 286.3
  Top w0.2: v1(159.84,35.9) v1(174.69,35.9) v1(176.74,37.95) ; DR13.1 137.55,81.29 v1(137.54,81.29) ; v1(246.35,42.8) 246.09,43.06 243.06,43.06 241.29,41.29 241.29,18.01 239.51,16.23 192.69,16.23 190.68,18.24 190.68,29.9 190.18,30.4 180.66,30.4 180.65,30.39 176.64,30.39 175.97,31.06 175.24,31.06 ; v1(137.54,31.48) 137.68,31.34 141.65,31.34 142.27,30.72 149.14,30.72 149.48,31.06 175.24,31.06 ; v1(137.54,48.26) v1(137.54,44.52) ; 175.24,31.06 175.2,31.06 v1(174.69,30.55) ; DR12.1 137.55,74.1 v1(137.54,74.09) ; v1(137.54,66.87) 137.57,66.9 DR11.1
  Bottom w0.2: v1(174.69,30.55) v1(174.69,35.9) ; v1(246.35,42.8) 246.8,43.26 246.8,69.91 247.7,70.81 247.7,73.6 246.77,74.53 242.78,74.53 242.01,75.3 242.01,85.76 240.77,87 U2.3 ; v1(176.74,37.95) DR14.1 ; v1(159.84,35.9) 159.49,35.9 DR15.1 ; 137.54,65.51 137.54,72.71 ; v1(137.54,81.29) v1(137.54,74.09) v1(137.54,66.87) 137.54,48.26 v1(137.54,48.26) ; v1(137.54,44.52) v1(137.54,31.48)
ROW3_L: length 234.7
  Top w0.2: 111.54,31.88 108.13,28.47 93.27,28.47 88.42,33.32 69.44,33.32 67.32,31.19 67.32,18.83 65.7,17.22 20.77,17.22 19.79,18.2 19.79,32.29 18.86,33.21 12.39,33.21 11.76,33.85 DL16.1 ; 111.54,31.88 111.34,32.07 111.34,58.03 DL17.1 DL19.1 ; 111.54,31.88 111.62,31.88 111.84,32.1 v1(111.84,33) ; v1(19.03,30.07) 19.79,29.31
  Bottom w0.2: DL20.1 112.49,33.65 v1(111.84,33) ; v1(19.03,30.07) 18.56,30.54 14.31,30.54 13.97,30.88 13.97,31.83 12.39,33.41 12.39,68.18 13.5,69.28 20.3,69.28 20.63,69.62 U1.4
ROW3_R: length 229.6
  Top w0.2: 147.85,34.36 150.16,32.05 176.38,32.05 177.05,31.38 179.86,31.38 179.86,31.39 190.6,31.39 191.67,30.32 191.67,19.91 191.67,18.65 193.1,17.22 239.1,17.22 240.3,18.42 240.3,41.13 240.3,41.7 242.65,44.05 246.11,44.05 v1(246.3,44.24) 246.44,44.1 248.06,44.1 248.36,43.8 248.36,42.35 DR16.1 ; 147.85,34.36 147.58,34.36 v1(147.54,34.4) ; 147.85,34.36 147.85,58.7 146.86,59.7 DR17.1 DR19.1
  Bottom w0.2: U2.4 238.23,86.64 238.82,86.05 241.26,86.05 241.68,85.63 241.68,75.16 242.64,74.2 246.63,74.2 247.37,73.46 247.37,70.94 246.47,70.04 246.47,44.41 v1(246.3,44.24) ; v1(147.54,34.4) 146.49,34.4 DR20.1
Net-(DL1-A): length 205.8
  Top w0.2: DL1.2 120.11,61.29 119.66,60.84 112.16,60.84 111.01,59.7 111.01,31.81 108,28.8 93.41,28.8 88.55,33.66 69.31,33.66 66.97,31.31 66.97,18.95 65.56,17.55 20.91,17.55 20.12,18.34 20.12,55.88 20.54,56.3 31.26,56.3 v1(31.26,56.3)
  Bottom w0.2: SWL1.2 31.28,56.32 v1(31.26,56.3)
Net-(DL2-A): length 209.5
  Top w0.2: v1(51.96,71.33) 51.94,71.31 39.24,71.31 38.22,70.29 38.22,19.65 39.33,18.55 65.16,18.55 65.97,19.36 65.97,31.72 68.94,34.68 88.93,34.68 93.82,29.79 107.59,29.79 110,32.2 110,60.08 111.63,61.72 111.63,67.63 112.03,68.03 119.56,68.03 120.11,68.58 DL2.2
  Bottom w0.2: SWL2.2 51.96,71.33 v1(51.96,71.33)
Net-(DL3-A): length 174.1
  Top w0.2: v1(72.84,81.93) 72.83,81.92 59.56,81.92 57.52,79.88 57.52,44.72 58.92,43.32 72.46,43.32 74.31,41.46 74.31,36.63 75.24,35.7 89.31,35.7 94.23,30.78 107.18,30.78 108.94,32.54 108.94,60.43 110.64,62.13 110.64,68.05 111.58,68.99 111.58,74.78 112.03,75.23 115.58,75.23 115.6,75.24 119.71,75.24 120.11,75.64 DL3.2
  Bottom w0.2: v1(72.84,81.93) 72.84,81.93 SWL3.2
Net-(DL4-A): length 10.4
  Bottom w0.2: DL4.2 88.74,73.65 90.84,75.75 SWL4.2
Net-(DL5-A): length 10
  Bottom w0.2: DL5.2 106.14,70.9 108.84,73.6 SWL5.2
Net-(DL6-A): length 185.7
  Top w0.2: DL6.2 116.56,61.74 115.99,61.17 112.02,61.17 110.67,59.82 110.67,31.94 107.86,29.13 93.55,29.13 88.67,34 69.19,34 66.64,31.45 66.64,19.09 65.42,17.88 21.04,17.88 20.45,18.47 20.45,36.52 23.46,39.53 v1(34.24,39.53)
  Bottom w0.2: v1(34.24,39.53) 34.23,39.53 SWL6.2
Net-(DL7-A): length 188.5
  Top w0.2: DL7.2 116.56,68.98 115.93,68.36 111.89,68.36 111.3,67.77 111.3,61.85 109.64,60.19 109.64,32.31 107.45,30.12 93.96,30.12 89.05,35.02 68.81,35.02 65.64,31.86 65.64,19.5 65.03,18.88 39.46,18.88 38.55,19.79 38.55,52.48 40.43,54.35 53.13,54.35 v1(53.14,54.35)
  Bottom w0.2: SWL7.2 53.14,54.36 v1(53.14,54.35)
Net-(DL8-A): length 152.4
  Top w0.2: v1(72.84,64.93) 72.83,64.92 59.56,64.92 57.85,63.21 57.85,44.86 59.06,43.65 72.59,43.65 74.64,41.6 74.64,36.8 75.4,36.04 89.43,36.04 94.37,31.11 107.04,31.11 108.57,32.64 108.57,60.53 110.31,62.26 110.31,68.19 111.25,69.13 111.25,74.91 111.89,75.56 113.41,75.56 113.42,75.57 116.01,75.57 116.56,76.12 DL8.2
  Bottom w0.2: v1(72.84,64.93) 72.84,64.93 SWL8.2
Net-(DL9-A): length 10.4
  Bottom w0.2: DL9.2 88.89,56.65 90.84,58.6 SWL9.2
Net-(DL10-A): length 10
  Bottom w0.2: SWL10.2 108.84,56.62 106.12,53.9 DL10.2
Net-(DL11-A): length 167.8
  Top w0.2: v1(36.64,22.85) 26.48,22.85 25.42,21.8 21.18,21.8 20.78,21.4 20.78,18.61 21.17,18.22 65.3,18.22 66.3,19.22 66.3,31.58 69.06,34.34 88.8,34.34 93.68,29.46 107.72,29.46 110.34,32.07 110.34,59.95 111.88,61.5 112.48,61.5 113.01,62.03 DL11.2
  Bottom w0.2: SWL11.2 37.19,23.35 36.69,22.85 v1(36.64,22.85)
Net-(DL12-A): length 167.5
  Top w0.2: v1(54.34,37.4) 54.32,37.39 41.61,37.39 38.88,34.66 38.88,19.92 39.6,19.21 64.89,19.21 65.31,19.63 65.31,31.99 68.68,35.36 89.18,35.36 94.09,30.45 107.31,30.45 109.28,32.41 109.28,60.3 110.97,61.99 110.97,67.9 111.76,68.69 112.43,68.69 113.01,69.26 DL12.2
  Bottom w0.2: v1(54.34,37.4) 54.33,37.41 SWL12.2
Net-(DL13-A): length 131
  Top w0.2: v1(72.84,47.9) 72.81,47.92 59.56,47.92 58.18,46.55 58.18,44.99 59.2,43.98 72.73,43.98 74.97,41.74 74.97,36.97 75.54,36.4 89.54,36.4 90.84,35.1 90.84,35.1 94.5,31.44 106.9,31.44 108.24,32.78 108.24,60.66 109.98,62.4 109.98,68.33 110.92,69.27 110.92,75.05 111.76,75.89 112.66,75.89 113.01,76.24 DL13.2
  Bottom w0.2: SWL13.2 72.84,47.9 v1(72.84,47.9)
Net-(DL14-A): length 10.5
  Bottom w0.2: DL14.2 88.94,39.65 90.84,41.55 SWL14.2
Net-(DL15-A): length 10.1
  Bottom w0.2: SWL15.2 108.84,39.5 106.24,36.9 DL15.2
Net-(DL16-A): length 7
  Top w0.2: v1(18.11,38.48) 18.11,38.68 DL16.2
  Bottom w0.2: SWL16.2 18.08,38.45 v1(18.11,38.48)
Net-(DL18-A): length 39.6
  Top w0.2: v1(115.94,31.9) 115.94,54.3 116.56,54.92 DL18.2
  Bottom w0.2: SWL18.2 108.8,23.66 109.44,23.66 115.94,30.16 v1(115.94,31.9)
Net-(DL19-A): length 48.5
  Top w0.2: DL19.2 120.11,54.89
  Bottom w0.2: v1(120.11,54.89) 120.79,54.21 120.79,45.95 120.21,45.37 120.21,42.08 120.79,41.5 120.79,31.27 122.32,29.74 122.32,16.2 122.85,15.67 124.96,15.67 125.5,15.13 125.5,11.78
Net-(DL20-A): length 18.9
  Top w0.2: v1(117.94,38.2) 124.04,38.2 v1(124.34,38.5)
  Bottom w0.2: DL20.2 117.79,38.05 v1(117.94,38.2) ; v1(124.34,38.5) 126.84,41 SWL20.2
Net-(DR1-A): length 178.4
  Top w0.2: 179.45,32.38 191.01,32.38 192.66,30.73 192.66,20.01 192.66,19.06 193.51,18.21 220.2,18.21 220.74,18.21 221.86,19.33 221.86,49.46 229.4,57 243.75,57 v1(243.76,57) ; DR1.2 145.86,61.93 146.29,61.49 148.01,61.49 148.84,60.66 148.84,34.9 150.69,33.05 176.79,33.05 177.46,32.38 179.45,32.38
  Bottom w0.2: SWR1.2 243.79,57.02 v1(243.76,57)
Net-(DR2-A): length 210.5
  Top w0.2: DR2.2 145.86,69.35 146.48,68.72 147.07,68.72 147.89,67.9 147.89,63.01 149.83,61.07 149.83,35.4 151.2,34.04 177.2,34.04 177.88,33.37 191.42,33.37 193.65,31.14 193.65,19.49 193.93,19.2 220.33,19.2 220.87,19.74 220.87,32.63 219.77,33.73 206.68,33.73 205.32,35.09 205.32,67.85 209.47,72 223.16,72 v1(223.16,72)
  Bottom w0.2: SWR2.2 223.24,72.07 v1(223.16,72)
Net-(DR3-A): length 149.7
  Top w0.2: DR3.2 145.86,76.38 146.31,75.92 147.07,75.92 147.96,75.04 147.96,75.04 147.98,75.01 147.98,69.21 148.88,68.31 148.88,63.42 150.82,61.48 150.82,35.85 151.6,35.07 177.64,35.07 178.35,34.36 184.69,34.36 184.89,34.55 184.89,34.83 184.88,34.83 184.88,55.39 185.17,55.68 185.17,56.63 184.67,57.13 184.67,60.87 185.44,61.65 185.44,78.18 189.19,81.92 202.43,81.92 v1(202.46,81.9)
  Bottom w0.2: SWR3.2 v1(202.46,81.9)
Net-(DR4-A): length 10.5
  Bottom w0.2: SWR4.2 184.46,75.77 182.34,73.65 DR4.2
Net-(DR5-A): length 10.5
  Bottom w0.2: DR5.2 164.39,70.9 166.46,72.97 SWR5.2
Net-(DR6-A): length 163.9
  Top w0.2: DR6.2 142.31,61.66 142.8,61.16 147.87,61.16 148.51,60.52 148.51,34.73 150.53,32.72 176.65,32.72 177.32,32.05 179.58,32.05 179.58,32.05 190.87,32.05 192.33,30.59 192.33,18.92 193.37,17.88 220.9,17.88 222.19,19.17 222.19,36 226.45,40.26 239.41,40.26 239.96,40.81 239.96,41.83 240.86,42.73 v1(240.86,43.68)
  Bottom w0.2: SWR6.2 240.83,43.71 v1(240.86,43.68)
Net-(DR7-A): length 197.4
  Top w0.2: v1(221.86,55) 221.82,55.04 208.28,55.04 205.65,52.4 205.65,35.23 206.82,34.06 219.92,34.06 221.2,32.78 221.2,19.6 220.47,18.87 193.78,18.87 193.32,19.33 193.32,31 191.28,33.04 177.74,33.04 177.07,33.71 151,33.71 149.5,35.2 149.5,60.93 147.56,62.87 147.56,67.77 146.94,68.39 142.87,68.39 142.31,68.96 DR7.2
  Bottom w0.2: SWR7.2 222.05,55.19 v1(221.86,55)
Net-(DR8-A): length 136.5
  Top w0.2: DR8.2 142.31,76.22 142.93,75.59 146.94,75.59 147.63,74.9 147.63,69.1 148.55,68.18 148.55,63.28 150.49,61.34 150.49,56.96 150.49,35.71 151.51,34.7 177.54,34.7 178.22,34.03 184.83,34.03 185.22,34.41 185.22,50.89 185.51,51.18 185.51,61.25 189.19,64.92 202.43,64.92 v1(202.46,64.9)
  Bottom w0.2: SWR8.2 v1(202.46,64.9)
Net-(DR9-A): length 10.4
  Bottom w0.2: SWR9.2 184.46,58.92 182.19,56.65 DR9.2
Net-(DR10-A): length 10.4
  Bottom w0.2: DR10.2 164.19,53.9 166.46,56.17 SWR10.2
Net-(DR11-A): length 151
  Top w0.2: DR11.2 138.76,61.4 139.32,60.83 147.73,60.83 148.18,60.38 148.18,34.5 150.3,32.38 176.52,32.38 177.19,31.71 179.72,31.71 179.72,31.72 190.74,31.72 192,30.46 192,18.79 193.24,17.55 221.03,17.55 222.52,19.03 222.52,22.54 223.5,23.52 237.78,23.52 v1(237.86,23.6)
  Bottom w0.2: SWR11.2 237.88,23.62 v1(237.86,23.6)
Net-(DR12-A): length 184.5
  Top w0.2: 177.94,32.71 177.6,32.71 176.93,33.38 150.85,33.38 149.17,35.06 149.17,56.41 149.17,60.79 147.23,62.73 147.23,67.63 146.8,68.06 139.35,68.06 138.76,68.66 DR12.2 ; v1(220.86,38.1) 220.84,38.08 206.68,38.08 205.98,37.38 205.98,35.37 206.96,34.39 220.06,34.39 221.53,32.92 221.53,19.46 220.6,18.54 220.06,18.54 193.64,18.54 192.99,19.2 192.99,30.87 191.15,32.71 190.63,32.71 177.94,32.71
  Bottom w0.2: SWR12.2 220.87,38.1 v1(220.86,38.1)
Net-(DR13-A): length 123.6
  Top w0.2: v1(202.34,48.1) 202.16,47.92 189.19,47.92 185.57,44.3 185.57,34.3 184.97,33.7 178.05,33.7 177.37,34.37 151.36,34.37 150.16,35.57 150.16,61.2 148.22,63.14 148.22,68.04 147.3,68.97 147.3,74.76 146.8,75.26 139.4,75.26 138.76,75.91 DR13.2
  Bottom w0.2: SWR13.2 202.46,48.22 v1(202.34,48.1)
Net-(DR14-A): length 11.5
  Bottom w0.2: DR14.2 184.04,39.65 184.46,40.07 SWR14.2
Net-(DR15-A): length 11.2
  Bottom w0.2: SWR15.2 166.46,38.52 165.09,37.15 DR15.2
Net-(DR16-A): length 29.6
  Top w0.2: v1(244.54,27.93) 255.99,27.93 v1(256.06,28) ; v1(243.91,40.37) 243.91,41.54
  Bottom w0.2: v1(243.91,40.37) 243.93,40.34 243.93,28.54 v1(244.54,27.93) ; 256.06,32.18 v1(256.06,28)
Net-(DR18-A): length 73.5
  Top w0.2: DR18.2 142.31,54.91 142.69,54.53 142.69,32.3 v1(142.29,31.9) ; v1(168.33,15.89) 168.13,16.09 158.71,16.09 157.46,14.84 150.42,14.84 v1(150.4,14.86)
  Bottom w0.2: v1(168.33,15.89) 168.33,15.9 SWR18.2 ; v1(150.4,14.86) 150.59,15.04 150.59,21.65 142.29,29.95 v1(142.29,31.9)
Net-(DR19-A): length 48.5
  Top w0.2: DR19.2 138.76,54.88 138.12,54.24 v1(138.12,33.93)
  Bottom w0.2: v1(138.12,33.93) 138.12,31.21 136.52,29.61 136.52,21 137.04,20.48 147.19,20.48 SWR19.2
Net-(DR20-A): length 7.3
  Bottom w0.2: DR20.2 146.94,38.35 146.94,42.71 148.46,44.23 SWR20.2

## Copper pours and planes (outline as drawn; the poured copper is in the pictures)
GND_L on Top, Bottom: 128.67,-48.11 -8.57,-48.11 -8.57,127.87 128.67,127.87
GND_R on Top, Bottom: 267.42,-48.1 130.1,-48.11 130.12,127.89 267.43,127.88

Small or netless copper shapes (teardrops, artwork), in the pictures only: 19 on Bottom

## Text on the board
B.Mask: 0.1
B.Silkscreen: R0 | R1 | R2 | R3 | C0 | C1 | TX | RST | GND | VCC | C2 | C3 | C4 | RX | BT- | BT+ | A   N O T   T H A T | S C A R Y   G E I S T | M A D E   B Y | R E V I S I O N   0 . 3 | T O T E M
User.Drawings: T O T E M
F.Silkscreen: SEEED XIAO BLE | SEEED XIAO RP2040 | RST
